# Allegro board RK_TABLET_DEMO1_RK3576_LP4XD200P132SD6_V12_20240530YWQ.brd (continued)
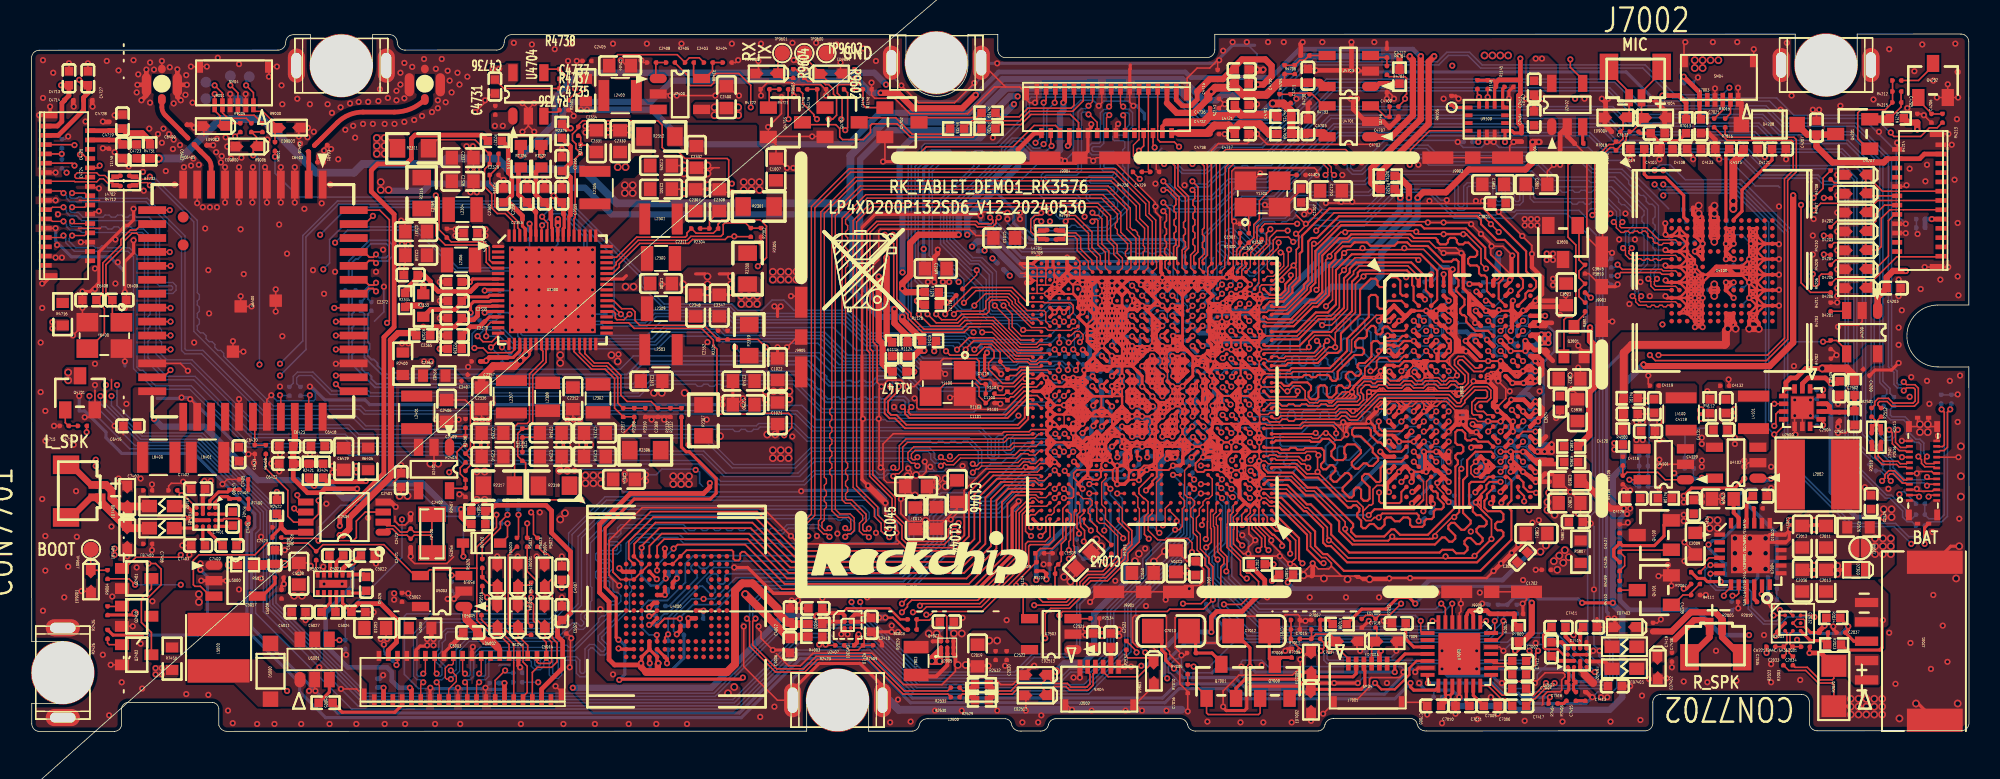
[diagram p0: board, top side]
## Routing (per net, layer and track width the routed paths; a pad name or vN(x,y) marks a point on that pad's centre or on a via; arc(x,y) is an arc through that point) (continued)
  TOP w0.107: 93.87,14 93.19,14.69 v1(93.19,14.8) 93.27,14.8 93.53,14.54 ; 93.87,14 93.53,14.35 93.53,14.54 ; 93.87,14 94.2,13.67 v1(94.2,12.43) ; U1000.C1 80.5,14.82 82.53,12.79 82.53,11.95 83.25,11.23 83.51,11.23 83.87,10.86 83.87,10.67 ; v1(94.16,32.77) v1(94.67,32.26) ; v1(81.59,32.15) 81.61,32.13 81.66,32.13 81.76,32.02 81.76,31.27 81.61,31.11 81.61,30.27 v1(81.43,30.1) 81.44,30.1 81.44,30.07 81.33,29.97 ; 93.88,9.91 93.88,9.9 85.52,9.9 85.4,10.03 ; 93.53,14.54 93.53,15.13 U3800.AB8 ; v1(84.84,19.18) 84.48,18.82 84.11,18.82 83.66,19.27 v1(83.52,19.27) ; v1(86.93,24.57) 86.96,24.54 86.96,24.39 86.03,23.47 86.03,23.3
  TOP w0.114: 88.24,20.85 v1(88.24,20.67) ; 88.24,20.85 88.38,21 ; 88.24,20.85 88.24,21.14 ; U3800.N4 90.31,21.28 90.35,21.31 ; U3800.N4 90.63,21.31 90.86,21.31 ; U3800.N4 90,21.31 89.84,21.31 ; U3800.N2 88.4,21.31 ; U3800.N2 89.03,21.31 89.21,21.31 ; U3800.N2 88.38,21 ; 88.38,21 88.24,21.14 ; 88.24,21.14 88.06,21.31 ; 87.21,20.83 v1(86.77,20.83) 87.26,21.31 87.7,21.31 87.21,20.83
  TOP w0.127: 68.69,25.87 68.15,25.87 68.12,25.91 ; 72.6,16.88 72.6,17.46 ; 72.6,16.88 72.6,16.45 72.32,16.16 U1000.1C13 ; 72.6,16.88 73.36,16.88 v1(73.65,17.17) ; 66.63,28.26 67.23,28.26 67.22,28.27 67.22,28.87 ; 72.32,28.8 71.64,28.8 ; 72.32,28.8 72.32,29.19 72.19,29.32 ; 72.32,28.8 v1(72.97,28.8) ; 72.32,28.8 72.32,28.15 ; U1000.1AB21 U1000.1AC21 ; 70.8,16.69 70.8,16.88 70.9,16.88 ; 70.8,16.69 70.8,16.45 70.78,16.43 70.78,16.24 70.98,16.24 71,16.26 71.43,16.26 v1(71.45,16.23) ; 70.8,16.69 70.83,16.69 71.02,16.88 ; 91.91,24.55 91.49,24.13 ; 91.49,24.13 91.27,23.92 ; 91.49,24.13 91.49,23.7 91.28,23.92 91.27,23.92 ; U1000.2R10 U1000.2P10 U1000.2N10 U1000.2M10 ; 68.54,26.72 68.12,26.29 U1000.1Y20 ; v1(89.51,13.59) 89.51,13.95 89.38,14.08 87.17,14.08 86.93,13.84 v1(86.93,13.82) ; 67.82,22.87 67.24,22.87 ; 68.42,28.87 68.42,27.07 ; 70.9,16.88 70.77,17.02 70.77,17.42 70.69,17.5 U1000.2A9 ; 70.9,16.88 71.02,16.88 ; v1(69.07,27.5) v1(69.07,25.55) ; v1(69.07,25.55) 69.07,24.9 v1(69.07,24.9) 68.42,24.9 ; v1(69.07,25.55) 69.72,25.55 v1(69.72,26.85) 69.72,26.85 v1(69.72,27.5) v1(69.72,28.15) v1(69.07,28.15) ; 71.02,16.88 71.5,16.88 ; 90.06,23.92 91.27,23.92 ; v1(94.79,16.12) 94.08,16.12 93.87,15.91 93.87,15.66 93.51,15.3 U3800.AB8 ; v1(72.97,27.5) v1(71.67,27.5) ; v1(78.6,28.26) 79.23,28.26 v1(79.27,28.23) ; 68.89,16.88 69.03,17.03 69.03,17.05 ; 68.89,16.88 68.19,16.88 68.15,16.84 ; 68.89,16.88 69,16.77 ; 71.02,24.25 v1(71.02,24.89) 71.67,24.89 ; 71.02,24.25 71.02,23.6 71.02,23.6 ; 71.02,24.25 71.02,24.25 ; 70.69,26.52 U1000.2N9 ; U1000.2E12 68.98,20.91 69.01,20.91 ; 69.76,16.88 69.2,16.88 ; 69.76,16.88 v1(70.05,17.17) ; 69.76,16.88 69.76,16.26 v1(70.05,15.97) ; 69.2,16.88 69.03,17.05 ; 69.2,16.88 69.12,16.88 69,16.77 ; 69.01,20.91 69.03,20.92 69.03,21.63 69.01,21.65 ; 69.01,20.91 69.16,20.91 U1000.2E11 ; v1(66.62,22.87) 67.19,22.87 ; 68.4,20.45 68.51,20.35 69.72,20.35 69.72,19.7 ; 67.22,28.87 67.14,28.87 66.88,29.13 ; 67.22,28.87 U1000.1AE21 ; 67.22,28.87 v1(67.82,28.87) v1(67.82,28.27) v1(67.82,27.07) ; 68.39,16.31 68.15,16.56 68.15,16.6 ; 68.39,16.31 67.86,16.31 ; 68.39,16.31 68.45,16.26 68.81,16.26 69,16.45 69,16.77 ; 71.5,16.88 71.78,17.17 72.24,17.17 ; 71.5,16.88 71.95,16.88 ; v1(72.97,28.8) v1(72.97,29.32) ; v1(72.97,28.8) 73.62,28.8 ; 71.67,24.9 72.32,24.9 v1(72.32,24.9) ; 68.12,25.2 68.14,25.22 68.71,25.22 ; U1000.1P22 U1000.1P21 U1000.1P20 ; v1(69.07,28.8) v1(69.72,28.8) 69.72,28.15 ; U1000.2M11 U1000.2N11 U1000.2P11 U1000.2R11 U1000.2T11 U1000.2U11 U1000.2V11 ; 75.6,24.28 75.55,24.23 74.93,24.23 ; v1(71.67,18.4) 71.09,18.4 ; 71.09,18.4 71.06,18.43 ; 71.09,18.4 v1(70.37,18.4) ; v1(75.59,17.71) 75.51,17.71 75.11,17.31 75.11,16.89 75.24,16.76 75.62,16.76 75.74,16.88 76.23,16.88 ; v1(94.79,23.92) v1(93.99,23.92) 93.3,23.92 93.25,23.97 ; 70.95,17.81 70.95,18.33 ; 69.03,17.05 69.03,17.29 69.14,17.4 69.14,17.53 ; 76.25,24.04 76.25,23.56 ; v1(71.96,16.89) 72.6,16.89 ; v1(84.76,13.08) 84.76,12.91 85.36,12.32 87.53,12.32 v1(87.8,12.58) 87.94,12.45 88.11,12.45 88.11,12.44 90.2,12.44 90.21,12.45 90.4,12.45 v1(90.57,12.61) ; 67.22,22.27 67.82,22.27 ; v1(73.62,22.29) 73.62,22.3 v1(74.27,22.3) ; 53.59,32.55 53.59,24.26 ; U1000.1AE20 U1000.1AD20 U1000.1AC20 U1000.1AB20 ; U1000.2L1 76.09,24.37 U1000.1U6 ; 68.44,25.57 69.04,25.57 ; v1(72.97,24.24) v1(72.97,23.59) ; U1000.2C11 U1000.2C10 ; v1(91.8,13.84) 92.12,14.16 92.12,16.35 92.13,16.36 92.13,16.84 v1(92.26,16.97) ; 76.26,16.92 76.21,16.97 76.21,17.48 ; v1(78.02,28.27) 78.59,28.27 ; 68.74,27.14 U1000.2P12 U1000.2N12 68.74,25.27 ; U1000.2K1 75.3,23.92 ; v1(70.37,22.95) 70.37,22.3 v1(69.72,22.3) 69.72,21.65 70.37,21.65 v1(70.37,22.3) ; 70.37,27.5 70.37,24.9 ; v1(94.2,12.43) v1(93.11,11.34) 92.98,11.2 91.41,11.2 91.32,11.3 v1(91.24,11.3) ; U1000.2K9 U1000.2L9 70.69,25.22 ; U1000.2M12 U1000.2L12 ; v1(71.02,28.15) v1(71.02,27.5) 71.67,27.5 ; 66.02,21.07 v1(66.62,21.07)
  TOP w0.14: 76.21,19.82 76.19,19.84 v1(76.19,20.37) ; 79.22,27.07 v1(79.22,27.67) 79.22,28.18 v1(79.27,28.23) ; 79.22,27.07 77.42,27.07 ; 79.22,27.07 79.22,25.87 ; U1000.1F5 U1000.1F6 ; U1000.1F6 U1000.1E6 U1000.1E5 ; U1000.1F6 U1000.1G6 ; v1(77.97,24.63) 78.02,24.68 78.02,25.26 78.02,25.27 ; v1(77.97,24.63) 77.93,24.67 v1(77.42,24.67) v1(76.82,24.67) ; v1(77.97,24.63) 77.97,24.63 v1(77.97,24.12) ; 79.22,23.62 79.22,23.47 ; 79.22,23.47 v1(79.22,22.87) 79.22,22.27 ; 79.22,23.47 78.02,23.47 ; U1000.1N2 U1000.1M2 ; 77.42,21.67 76.82,21.67 v1(76.82,21.07) ; v1(78.06,20.43) 78.06,19.92 ; 76.19,19.75 76.19,19.29 ; 76.82,25.27 78.02,25.27 ; 76.82,25.27 v1(76.82,26.47) ; 76.82,25.27 v1(76.82,24.67) ; 79.22,19.87 79.24,19.9 79.24,19.98 ; 79.22,19.87 76.21,19.87 ; 79.22,19.87 v1(79.22,19.27) v1(79.22,18.67) ; 78.02,23.47 78.02,22.87 78,22.85 v1(78,22.83) ; 78.02,23.47 78.02,24.07 ; 78.02,23.47 76.28,23.47 76.25,23.5 ; 78.62,21.67 78.02,21.67 v1(78.02,21.07) ; v1(78.63,16.26) 78.6,16.26 78.55,16.31 78.05,16.31 v1(78.05,16.83) ; v1(76.89,27.67) 77.32,27.67 v1(77.33,27.68) 77.35,27.66 77.35,27.13 ; U1000.1AB6 U1000.1AB5 ; 77.42,27.07 76.82,27.07 ; 77.42,27.07 v1(77.42,26.47) ; 76.82,27.07 75.99,27.07 U1000.2R1 ; 76.82,27.07 v1(76.82,26.47) ; v1(76.82,24.67) 76.33,24.67 76.14,24.87 ; 76.19,20.45 76.19,20.99 76.18,21.01 ; v1(79.22,24.07) 79.22,24.67 ; v1(76.82,26.47) 75.94,26.47 ; v1(76.82,26.47) v1(77.42,26.47) ; v1(90.64,18.07) v1(89.84,18.07) ; 79.33,18.07 76.82,18.07 ; 79.22,21.16 v1(79.26,21.12) ; 79.22,21.16 79.22,22.22 v1(79.19,22.25) ; 79.22,21.16 79.22,20.47 ; 78.97,22.62 78.97,23.12 U1000.1R2 ; v1(77.42,26.47) 77.92,26.47 v1(77.93,26.46) ; v1(79.22,17.47) v1(79.22,15.67) v1(79.22,15.07) 79.22,14.52 79.19,14.49 ; 77.97,18.72 77.97,19.23 v1(77.97,19.23) ; 78.94,20.8 78.94,21.35 ; U1000.1N4 U1000.1M4 ; v1(76.17,22.3) 76.2,22.33 76.2,22.92 ; U1000.1AC5 U1000.1AC4 ; 77.09,20.8 76.54,20.8 ; 76,26.41 76.24,26.17 U1000.1Y6 U1000.1W6 U1000.1V6 U1000.1U6 ; U1000.1N6 U1000.1M6 U1000.1L6 ; 78.02,25.27 79.22,25.27 ; 76.82,27.67 76.39,27.67 ; 76.39,27.67 76.22,27.5 ; 76.39,27.67 76.04,27.67 ; 66.02,22.27 66.62,22.27 ; 77.09,23.75 76.54,23.75 U1000.1T6 ; 76.14,23.39 76.14,23.02 ; U1000.1K6 76.47,20.22 76.47,20.72 ; 79.22,25.27 79.22,25.79 v1(79.26,25.83) ; 79.22,25.27 v1(79.22,24.67) ; 78.06,21.03 78.06,20.52 ; v1(77.42,16.87) 76.82,16.87 ; v1(77.42,18.67) 77.93,18.67 v1(77.97,18.72) ; v1(77.98,25.91) 77.98,26.41 77.96,26.43 ; 78.29,28 77.74,28 ; 77.93,16.18 77.93,15.76 ; 77.74,20.8 77.74,21.35 ; 77.97,19.32 77.97,19.83 ; 78.97,22.52 78.97,22.02 ; 69.72,20.35 69.72,20.35 ; v1(72.97,20.34) 72.32,20.34 72.31,20.35 v1(71.67,20.35) v1(71.02,20.35) ; 78.12,17.57 78.12,17.97 ; 77.98,27.03 77.98,26.51 ; 76.52,18.7 76.52,18.37 ; U1000.1U4 U1000.1U3 ; U1000.1H4 U1000.1H3 ; 66.02,18.67 67.22,18.67 ; 79.2,16.25 78.63,16.25
  TOP w0.145: 95.44,27.17 94.74,27.17 v1(94.69,27.22) ; v1(88.24,18.72) v1(89.19,18.72) ; v1(93.98,20.03) 93.99,20.02 v1(94.79,20.02) ; v1(95.44,24.57) v1(96.39,24.57) ; 89.74,16.77 v1(89.04,16.77) ; v1(96.24,18.07) v1(95.44,18.07) v1(94.79,18.07) ; v1(89.19,25.22) 89.19,25.22 88.56,25.22 88.23,24.9 U3800.G1 ; U3800.J1 88.25,23.6 88.58,23.92 90.06,23.92 90.06,23.92 ; v1(89.99,27.17) 89.21,27.17
  TOP w0.152: 110.83,31.61 110.83,31.39 ; 110.83,31.61 U4100.C11 ; 110.83,31.61 v1(110.94,31.5) ; 110.83,31.39 110.83,31 ; 110.83,31.39 v1(110.94,31.5) ; U4100.K5 U4100.J5 ; U4100.K5 v1(107.33,28) ; U4100.K5 v1(107.83,28) ; U4100.K5 107.33,28.5 ; U4100.K5 107.58,28.75 ; U4100.J5 107.33,29 ; U4100.J5 107.83,29 ; U4100.J5 108.22,29.39 108.22,29.5 U4100.H5 ; U4100.J5 v1(107.33,29.5) ; U4100.J5 107.33,28.5 ; 106.58,27.25 U4100.M3 ; 106.58,27.25 U4100.N2 106.83,27 ; 106.58,27.25 106.83,27 ; U4100.M3 U4100.M4 ; U4100.M3 107.08,27.25 ; U4100.M3 U4100.L2 ; U4100.M3 U4100.L3 ; U4100.M3 U4100.N3 ; U4100.M3 107.08,27.75 107.08,27.75 ; U1000.2C11 U1000.2B11 69.34,18.67 69.34,18.12 ; U4100.J12 U4100.K13 ; U4100.J12 U4100.H12 ; U4100.J12 110.83,29.5 ; U4100.J12 U4100.K12 ; U4100.J12 v1(110.83,29) ; U4100.J12 U4100.H13 ; U4100.K13 U4100.L12 ; U4100.K13 U4100.K12 ; 107.33,29 107.58,28.75 ; 107.33,29 107.33,29 ; 107.33,29 U4100.H5 ; 107.33,29 U4100.J3 ; 107.33,29 107.33,28.5 ; 107.33,29 U4100.K3 ; 107.33,29 U4100.H3 ; U4100.H5 107.83,29 ; U4100.H5 v1(107.33,30) ; U4100.H5 v1(107.33,29.5) ; 107.83,29 107.58,28.75 ; 65.59,20.9 65.59,21.24 ; U4100.P4 U4100.N5 ; U4100.P4 107.08,26.75 ; U4100.P4 U4100.N4 ; U4100.P4 v1(107.33,26.11) 107.44,26.11 ; U4100.P4 107.72,26.11 ; U4100.P4 U4100.P5 ; U4100.N5 U4100.P5 ; U4100.N5 U4100.M5 ; U4100.N5 U4100.M4 ; U4100.N5 U4100.N4 ; 69.07,19.05 v1(69.07,18.4) 69.07,17.75 ; 107.44,26.11 107.72,26.11 ; 107.44,26.11 U4100.P5 ; 107.72,26.11 v1(107.83,26.11) U4100.P5 ; U1000.2E6 U1000.2D6 72.57,19.95 72.57,19.44 U1000.2C6 ; U1000.T28 65.59,21.97 65.65,22.04 ; U4100.M12 U4100.N12 ; U4100.M12 v1(110.83,28) ; U4100.M12 U4100.L12 ; U4100.M12 U4100.N11 ; U4100.M12 U4100.M13 ; U4100.N12 U4100.M13 ; U4100.N12 U4100.P11 ; U4100.N12 U4100.N11 ; U4100.N12 U4100.P12 ; U4100.H12 110.83,29.5 ; U4100.H12 v1(110.83,29) ; U4100.H12 U4100.G12 ; U4100.H12 110.83,30 ; U4100.H12 U4100.H13 ; U4100.H10 v1(110.83,29) ; U4100.H10 110.83,29.5 ; U4100.H10 110.83,30 ; U4100.H10 U4100.G10 ; v1(110.83,29) 110.83,29.5 ; v1(110.83,29) U4100.K12 ; v1(110.83,29) 110.83,28.5 ; 85.78,9.91 85.91,9.78 87.43,9.78 ; 85.78,9.91 v1(88.95,9.91) 93.88,9.91 94.28,10.3 ; 85.78,9.91 85.65,10.03 85.4,10.03 ; U4100.E12 v1(110.83,30.5) ; U4100.E12 U4100.D12 ; U4100.E12 110.83,31 ; U4100.E12 U4100.D13 ; U4100.E12 110.94,31.39 v1(110.94,31.5) ; U4100.E12 U4100.F12 ; U4100.E12 U4100.F13 ; v1(110.83,30.5) U4100.G10 ; v1(110.83,30.5) U4100.F12 ; v1(110.83,30.5) U4100.G12 ; v1(110.83,30.5) 110.83,31 ; v1(110.83,30.5) 110.83,30 ; v1(73.62,22.29) 73.62,22.29 73.62,21 ; U1000.2G4 U1000.2F4 ; U4100.P11 U4100.P12 ; U4100.P11 U4100.N11 ; U4100.P12 U4100.N11 ; U4100.M4 U4100.M5 ; U4100.M4 U4100.N4 ; U4100.M4 v1(107.33,28) ; U4100.M4 107.08,27.75 ; U4100.M5 U4100.N4 ; U4100.M5 107.83,27.5 ; U4100.G10 110.83,30 ; U4100.G10 110.83,29.5 ; 73.62,28.8 73.62,29.19 73.49,29.32 ; 106.83,30.95 U4100.F3 ; 106.83,30.95 U4100.E3 ; 106.83,30.95 107.28,30.5 ; U4100.F3 U4100.G3 ; U4100.F3 107.28,30.5 ; U4100.F3 U4100.G2 ; U4100.F3 U4100.E2 ; U4100.F3 v1(107.33,30) ; U1000.2F6 72.72,21.24 72.72,20.75 ; 107.08,27.25 106.83,27 ; 107.08,27.25 U4100.N4 ; 107.08,27.25 107.83,28 ; 106.83,27 U4100.N3 ; 73.24,21.27 72.69,21.27 ; v1(65.51,21.67) 65.51,22.18 ; 70.64,25.27 U1000.2M9 70.69,25.22 ; v1(73.62,27.5) 74.27,27.5 74.27,27.5 ; U4100.B11 U4100.B12 ; U4100.B11 U4100.C11 ; U4100.B11 U4100.C12 ; U4100.B12 U4100.C12 ; U4100.B12 U4100.C11 ; U4100.C11 U4100.D12 ; U4100.C11 U4100.C12 ; v1(107.33,28) 107.83,28 ; v1(107.33,28) U4100.K3 ; v1(107.33,28) 107.33,28 ; v1(107.33,28) U4100.L3 ; 107.08,26.75 107.08,26.75 U4100.N4 ; 107.08,26.75 U4100.N3 ; 110.83,29.5 U4100.G12 ; 110.83,29.5 110.83,30 ; 74.27,28.15 74.27,29.19 74.4,29.32 ; U4100.F12 U4100.F13 ; U4100.F12 110.83,31 ; U4100.F12 U4100.G12 ; U4100.F12 110.83,30 ; U4100.F13 U4100.G12 ; 107.08,27.75 107.33,28 ; 107.08,27.75 U4100.L3 ; U4100.N4 U4100.N3 ; U4100.N4 U4100.P5 ; 110.83,28.5 U4100.L12 ; 110.83,28.5 v1(110.83,28) ; 110.83,28.5 U4100.K12 ; U4100.L12 U4100.K12 ; U4100.L12 v1(110.83,28) ; U4100.L12 U4100.M13 ; 110.83,30 U4100.G12 ; U4100.G12 U4100.H13 ; v1(107.33,29.5) v1(107.33,30) ; v1(107.33,29.5) U4100.H3 ; v1(107.33,29.5) 107.33,29 ; v1(107.33,29.5) U4100.J3 ; v1(107.33,29.5) U4100.G3 ; v1(107.33,30) U4100.H3 ; v1(107.33,30) 107.33,30.45 107.3,30.48 ; v1(107.33,30) U4100.G3 ; 110.83,31 U4100.D12 ; U4100.D12 v1(110.94,31.5) ; U4100.D12 U4100.D13 ; U4100.D12 U4100.C12 ; U4100.C3 U4100.B2 ; U4100.C3 U4100.D3 ; U4100.C3 U4100.C2 ; U4100.B2 U4100.C2 ; U4100.B2 U4100.C1 U4100.C2 ; v1(81.21,10.82) 81.34,10.82 ; 70.37,23.6 70.37,24.25 ; 70.37,24.25 69.72,24.25 69.72,23.6 ; 70.37,24.25 70.37,24.85 70.39,24.87 ; 107.33,29 107.08,28.75 ; 107.08,28.75 107.33,28.5 ; 107.08,28.75 106.83,28.5 U4100.K3 ; 107.08,28.75 U4100.J3 ; 68.69,23.32 U1000.2J12 ; 68.69,23.32 69.34,23.32 ; 68.69,23.32 68.04,23.32 67.99,23.27 67.94,23.32 ; U4100.E3 U4100.D3 ; U4100.E3 U4100.E2 ; 107.33,28.5 107.33,28.5 ; 107.33,28.5 v1(107.83,28) ; 107.33,28.5 107.33,28.5 ; 107.33,28.5 107.33,28 ; 68.76,17.53 68.74,17.54 U1000.2A12 U1000.2B12 U1000.2C12 ; v1(110.83,28) U4100.K12 ; U1000.2R4 73.89,27.22 ; v1(110.94,31.5) 110.94,31.61 U4100.C12 ; U4100.J3 U4100.K3 ; U4100.J3 U4100.J2 ; U4100.J3 U4100.H3 ; U4100.K3 U4100.L3 ; U4100.K3 U4100.L2 ; U4100.K3 U4100.J2 ; U4100.K3 107.33,28.5 ; 107.33,28.5 107.58,28.75 ; 107.33,28.5 107.33,28.5 U4100.L3 ; U4100.C2 U4100.D3 ; U4100.L3 U4100.L2 ; U4100.G3 107.31,30.48 107.3,30.48 ; U4100.G3 U4100.G2 ; U4100.G3 U4100.H3 ; 107.3,30.48 107.28,30.5 ; 92.58,32.12 v1(92.38,32.12) 92.37,32.13 91.12,32.13 v1(91.11,32.12) ; 71.64,28.8 v1(71.58,28.85) ; U4100.H3 U4100.G2 ; U4100.H3 U4100.J2 ; 107.83,28 v1(107.83,28) ; U4100.D3 U4100.E2 ; 65.72,19.69 65.66,19.63 ; 70.37,28.8 U1000.2V9 70.75,29.18 71.28,29.18 ; U1000.2R5 73.34,27.22 ; 67.22,20.47 66.07,20.47 66.04,20.5 ; U1000.2U2 U1000.2V2 U1000.2V1 76.47,29.12 ; 107.33,28 107.83,27.5 ; U4100.D13 U4100.C12 ; U1000.2R9 70.64,27.12 70.64,26.57 U1000.2P9 ; 70.74,27.22 71.29,27.22 ; 69.14,17.53 69.39,17.78 U1000.2A11 ; 67.19,22.87 v1(67.22,22.85) 67.24,22.87 ; 65.47,22.32 65.47,22.82 v1(65.45,22.84) ; v1(76.77,18.67) v1(77.42,18.67) 77.42,18.07 ; U1000.AL8 76.13,30.26 ; v1(107.83,28) 107.83,27.5 ; 70.72,23.95 70.69,23.98 ; U1000.2L7 U1000.2L8 ; v1(93.53,32.13) 93.54,32.13 94.21,31.47 v1(94.21,31.34) ; v1(67.87,18.07) 67.82,18.02 67.82,17.47 ; U1000.2U3 U1000.2V3 ; U1000.2U4 U1000.2V4 ; v1(78.05,16.83) 78.03,16.86 78,16.86 77.99,16.87 v1(77.42,16.87) ; v1(74.84,28.82) 74.84,29.11 75.05,29.32 ; v1(77.42,28.27) v1(78.02,28.27) ; v1(67.22,19.27) 67.22,18.67 67.82,18.67 ; 67.45,18.44 66.99,18.44 ; U1000.1E24 U1000.1F24 ; 82.6,10.03 82.13,10.03 81.99,10.18 ; 72.97,20.35 72.97,20.74 73.22,21 v1(73.62,21) v1(74.27,21) ; 68.69,29.17 U1000.1AE20 ; 70.37,21 70.37,21.65 U1000.2G10 ; 77.09,17.2 77.09,17.75 ; 86.01,22.97 85.32,22.28 85.32,22.22 85.24,22.14 85.24,21.97 v1(85.2,21.93) ; U1000.1G24 U1000.1H24 ; v1(77.42,24.67) 77.42,25.27 ; 70.64,25.82 U1000.2N9 ; U4100.E2 U4100.E1 ; U1000.2R7 71.99,27.17 ; 67.22,22.27 66.62,22.27 ; v1(92.26,30.9) v1(91.11,30.9) ; v1(69.72,27.5) v1(69.07,27.5) ; U1000.1P24 U1000.1N24 ; 76.19,28.82 75.59,28.82 ; 70.33,25.51 70.37,25.47 ; U1000.1G20 U1000.1G21
  TOP w0.178: U1000.2L4 73.87,24.64 73.36,24.64 ; 72.97,18.4 74.27,18.4 ; 72.97,18.4 v1(71.67,18.4) ; 72.97,18.4 72.97,17.82 ; v1(74.27,21.65) v1(74.27,21) v1(74.27,20.35) v1(74.27,19.7) v1(74.27,19.05) ; U1000.2N6 72.59,25.82 72.59,25.27 U1000.2M6 ; v1(86.93,24.57) 87.07,24.57 87.45,24.96 87.85,24.96 U3800.G1 ; v1(72.32,19.05) v1(72.32,19.69) ; v1(75.57,18.37) 75.54,18.4 74.92,18.4 v1(74.89,18.37) ; v1(72.97,24.89) 72.97,24.9 73.62,24.9 ; v1(71.67,22.28) 71.67,22.28 71.67,22.94 71.66,22.95 ; U1000.2A6 72.72,18.07 72.97,17.82 ; 85.07,19.87 84.74,19.87 v1(84.64,19.97) ; 85.07,19.87 86.12,19.87 v1(86.27,20.02) 86.33,20.02 86.67,19.69 86.67,19.59 86.67,19.58 86.67,19.43 86.96,19.14 87.82,19.14 U3800.T1 ; 85.07,19.87 84.84,19.63 v1(84.84,19.18) ; U1000.2G10 69.72,21.65 69.01,21.65 68.44,21.65 68.42,21.67 ; 72.32,26.2 72.97,26.2 v1(72.97,26.2) ; 70.37,23.6 68.42,23.6 ; 70.37,23.6 71.02,23.6 ; 70.37,23.6 v1(70.37,22.95) ; 70.37,28.15 70.37,27.5 70.37,27.5 v1(69.72,27.5) ; 74.28,19.03 74.28,17.76 ; 74.52,24.64 74.01,24.64 ; 74.27,28.15 74.27,28.15 74.27,25.55 ; 72.97,17.82 72.64,17.5 ; 72.44,17.3 72.44,18.27 ; 72.32,19.7 v1(72.32,20.32) 72.32,20.34 ; 74.93,22.96 74.93,23.61 ; 74.93,24.23 74.93,23.61 ; 74.93,23.61 U1000.2K2 ; v1(73.65,24.9) 74.27,24.9 74.27,25.55 ; 69.72,19.05 v1(70.37,19.05) v1(70.37,18.4) ; 74.27,25.55 v1(73.65,25.55) ; v1(72.32,24.9) 72.32,25.55
  TOP w0.196: U1000.2K8 71.34,24.57 ; 72.32,26.85 72.32,25.55
  TOP w0.203: R9105.2 91.9,41.04 v1(92.08,40.87) ; v1(105.43,31.09) 105.52,31 U4100.E1 ; U7000.18 v1(92.13,2.21) 91.88,1.96 C7010.2 v1(91.88,1.14) ; U1000.A1 80.42,13.32 v1(80.42,13.31) ; v1(66.02,27.07) U1000.1AB23 v1(66.62,27.07) U1000.1AB22 ; v1(66.02,27.07) U1000.1AA24 ; v1(66.02,27.07) U1000.1AB24 ; ED7003.2 v1(88.06,5.21) ; C4200.2 118.6,23 118.95,23.34 120.02,23.34 v1(120.48,23.8) ; 66.02,28.27 U1000.1AD24 ; 66.02,28.27 66.32,28.57 U1000.1AD23 ; 66.02,28.27 65.72,27.97 U1000.1AC24 ; v1(80.9,5.21) 81.02,5.33 R7006.2 ; U1000.1K21 v1(67.22,19.87) ; v1(67.22,19.87) U1000.1J21 ; v1(67.22,19.87) U1000.1J22 ; 113.41,12.98 113.15,12.71 U2004.18 112.16,12.71 111.66,12.21 ; 113.41,12.98 v2(113.52,13.08) ; 113.41,12.98 113.41,12.42 113.21,12.21 U2004.17 111.66,12.21 ; 71.45,16.38 v1(71.96,16.89) ; 71.45,16.38 71.45,16.84 71.5,16.88 ; 71.45,16.38 v1(71.45,16.23) ; v1(49.46,8.46) 49.15,8.46 48.95,8.25 C4002.2 50.12,7.94 C2412.2 ; U1000.2E8 v1(71.02,20.35) U1000.2E9 ; v1(79.22,19.27) U1000.1J2 ; v1(79.22,19.27) U1000.1H1 v1(79.22,18.67) U1000.1H2 v1(79.22,19.27) ; ED5000.2 33.1,8.61 v1(33.15,8.66) ; v1(3.29,28.42) 3.78,28.42 4.35,28.98 4.35,30.96 6.07,32.69 6.23,32.69 6.58,33.04 v1(6.58,33.76) ; v1(105.44,29.13) 105.57,29 U4100.J1 U4100.J2 ; v2(40.67,21.87) 40.71,21.91 C2313.2 ; 89.54,3.17 v1(89.54,3.12) ; v1(105.43,30.09) 105.52,30 U4100.G1 U4100.G2 ; U1000.2V5 v1(72.97,28.8) 72.64,29.12 ; ED5002.2 v1(31.37,8.66) ; v2(117.38,1.6) 117.35,1.63 R2020.1 ; 68.42,24.9 U1000.2L12 ; 68.42,24.9 68.12,25.2 U1000.1W20 ; 68.42,24.9 U1000.2M12 ; U1000.2L12 v1(69.07,24.9) ; U1000.2L12 68.74,24.54 68.53,24.33 68.53,24.18 ; U1000.1Y20 U1000.1W20 ; U1000.1Y20 68.39,26.17 ; U1000.1Y20 U1000.1AA21 v1(67.82,27.07) ; 53.59,32.55 54.44,33.4 61.14,33.4 v1(61.24,33.3) ; v1(25.53,5.56) 25.48,5.51 25.07,5.51 24.81,5.25 J5000.10 ; 44.38,29.55 44.98,29.55 v2(45.14,29.39) ; v1(112.75,31.47) 112.72,31.5 U4100.D14 U4100.D13 ; 67.13,29.32 67.06,29.32 66.63,28.88 ; U1000.1AD3 78.32,28.55 v1(78.6,28.26) ; U1000.1V6 76.22,25.27 U1000.1W6 76.82,25.27 ; v1(67.82,28.87) U1000.1AE20 ; v1(67.82,28.87) U1000.1AE21 ; v1(67.82,28.87) U1000.1AD20 ; v1(55.5,6.43) 55.49,6.43 C2410.2 54.86,5.75 R2410.2 ; v1(69.07,28.8) U1000.2V12 ; v1(69.07,28.8) U1000.2U11 ; v1(69.07,28.8) U1000.2V11 ; v1(69.72,28.15) U1000.2U10 ; v1(69.72,28.15) U1000.2U11 ; v1(69.72,28.15) U1000.2T11 v1(69.07,28.15) U1000.2U11 ; U1000.AL1 80.39,30.22 v1(80.44,30.17) ; v1(86.29,7.14) 85.86,6.71 C7018.2 ; 68.42,27.67 68.74,27.35 ; v1(78.6,28.26) 78.32,27.98 U1000.1AC3 ; v1(78.6,28.26) 78.89,27.97 U1000.1AC2 ; J2001.6 121.73,1.8 v2(121.59,1.8) ; 96.21,23.24 95.47,23.24 ; v1(87.46,40.87) C4709.2 ; v1(64.95,30.61) 65.92,30.61 ; C4712.2 87.46,44.53 ; C7413.2 v1(103.15,2.93) ; U1000.2M12 68.74,25.27 68.44,25.57 ; U1000.2M12 v1(69.07,24.9) ; U1000.2M12 68.71,25.22 ; U1000.2M12 v1(69.07,25.55) ; C2012.2 114.84,13.28 v2(115.04,13.08) ; 67.11,29.33 67.11,29.34 67.11,29.38 U1000.AK25 67.09,29.94 67.09,29.95 U1000.AL25 ; U1000.1AA4 77.98,26.51 77.93,26.46 v1(77.93,26.46) ; U1000.1AA4 U1000.1AB5 76.82,27.67 U1000.1AC5 ; U1000.1AA4 78.02,27.07 ; 40.82,20.32 v1(40.82,20.14) ; 40.82,20.32 R2332.2 R2310.2 ; 40.82,20.32 C2368.2 ; 79.22,28.27 U1000.1AC2 ; U1000.1AC2 v1(79.22,27.67) ; 70.89,43.05 70.89,42.79 70.86,42.76 J4701.11 ; v1(37.87,5.36) 37.92,5.31 U4000.N2 ; v1(12.58,9.73) 12.57,9.74 U5000.2 v1(10.95,9.74) ; 66,29.95 65.92,30.04 65.92,30.61 ; 76.24,19.25 76.24,19.25 U1000.1H6 ; U7402.C2 U7402.C4 100.52,4.96 v1(100.76,5.21) ; U1000.1AD23 66.63,28.88 ; U1000.1AD23 66.63,28.26 ; U1000.1L22 v1(66.62,21.07) U1000.1M22 67.21,21.08 67.21,21.07 ; U4100.K13 U4100.K14 112.73,28.5 v1(112.75,28.52) ; U1000.2N8 71.34,25.87 v1(71.01,26.19) ; C3821.2 96.41,12.43 96.37,12.39 ; v1(71.01,26.19) 70.69,26.52 U1000.2P9 ; v1(71.01,26.19) U1000.2N9 ; v2(45.14,28.37) 44.98,28.21 C2347.2 ; ED7403.2 102.17,7.25 v1(102.14,7.29) ; U1000.1W20 68.44,25.57 ; U1000.2T6 v1(72.97,27.5) U1000.2R5 ; J2001.7 123.84,11.96 v2(124.39,11.96) ; 76.24,18.37 75.59,18.37 ; 76.24,18.37 U1000.1G6 ; 76.24,18.37 U1000.2B1 U1000.2A1 75.59,17.77 v1(75.59,17.71) ; v1(112.75,30.5) U4100.F14 U4100.F13 ; U1000.2P12 68.39,26.17 ; U1000.2P12 69.39,27.17 ; U1000.2P12 U1000.2N11 69.72,25.55 ; U1000.2P12 68.54,26.72 68.54,26.94 ; 68.39,26.17 68.69,25.87 U1000.2N12 ; v1(105.43,28.12) 105.43,28.09 105.52,28 U4100.L1 U4100.L2 ; v1(65.45,22.84) 65.45,22.84 U1000.1P24 ; U9100.7 94.41,38.13 v1(94.35,38.07) v1(93.91,38.07) U9100.6 ; U1000.2E12 68.62,20.67 68.4,20.45 ; U1000.2E12 U1000.2E11 ; U1000.2E12 69.07,20.35 U1000.2E11 ; v1(67.22,19.27) U1000.1J22 ; U1000.1J22 66.77,19.71 66.46,19.71 U1000.1J23 ; v1(96.21,8.25) 96.21,8.18 96.23,8.17 C7003.2 ; v1(77.98,25.91) U1000.1W3 78.02,25.27 ; v1(77.98,25.91) U1000.1Y4 77.93,26.38 v1(77.93,26.46) ; v1(77.98,25.91) 78.05,25.91 U1000.1Y3 78.05,26.43 77.96,26.43 v1(77.93,26.46) ; v1(70.05,15.97) v1(70.05,17.17) ; 82.93,35.94 v1(82.94,35.94) 82.93,35.94 ; 67.23,28.26 U1000.1AC21 v1(67.82,28.27) ; v1(87.06,23.27) 87.06,23.28 87.43,23.65 87.86,23.65 U3800.J1 ; U7000.13 89.49,4.1 89.28,3.9 v1(89.28,3.83) 89.33,3.78 ; v1(5.36,39.8) 5.41,39.85 C4719.2 ; v1(67.82,27.07) U1000.1AB20 ; v1(67.82,27.07) U1000.1AB21 ; v1(61.75,4.24) 61.45,4.24 61.39,4.29 v2(60.28,4.29) ; 92.77,28.24 92.38,28.63 92.38,29.44 v1(92.41,29.46) ; v1(47.83,5.26) 48.75,5.26 C4006.2 ; U1000.2E11 69.72,20.35 ; v1(27.1,5.56) 26.61,5.07 J5000.16 ; v1(28.48,5.46) 28.41,5.4 J5000.22 ; 69.72,25.55 U1000.2M11 v1(69.07,24.9) ; 69.72,25.55 70.37,26.2 U1000.2P10 ; v1(53.98,15.87) 53.59,16.27 53.59,24.26 ; 42.85,29.55 43.45,29.55 v2(43.61,29.39) ; 63.78,30.2 63.8,30.22 U1000.AL29 ; U1000.2D6 72.64,20.02 72.32,20.34 ; U1000.2D6 72.32,19.7 v1(72.32,19.69) 72.32,19.69 U1000.2C6 v1(72.32,19.05) ; U1000.2D6 72.64,20.02 v1(72.97,20.34) 73.29,20.67 U1000.2E5 ; v1(68.38,39.22) 68.38,39.01 68.16,38.8 J4701.20 68.16,37.48 67.39,36.7 57.53,36.7 57.53,36.71 56.06,36.71 55.96,36.8 v1(54.94,36.8) ; v1(65.05,13.18) 65.05,13.28 U1000.A29 ; v1(105.42,32.82) 105.42,32.11 v1(105.43,32.09) 105.52,32 U4100.C1 ; v1(85.58,42.7) 85.62,42.66 U4703.2 ; U1000.2N12 v1(69.07,25.55) ; U1000.2N12 68.44,25.57 ; U1000.2N12 69.39,26.52 ; 70.38,25.56 70.35,25.56 U1000.2N10 U1000.2P11 69.39,26.52 ; v1(4.6,37.67) 4.99,37.67 C4724.2 ; U1000.1L20 68.4,20.49 68.4,20.45 ; v1(0.69,28.93) 0.79,28.93 1.2,29.34 J4702.32 ; v1(116.26,6.78) 116.26,6.6 C2037.1 ; 66.63,28.88 66.34,29.17 U1000.1AE23 66.29,29.17 65.99,29.47 65.99,29.49 ; v1(45.34,10.59) 46.21,10.59 47.88,8.91 53.67,8.91 v1(53.93,8.66) 54.2,8.93 60.8,8.93 63.27,11.4 63.27,14.4 63.69,14.82 v1(63.69,14.87) ; U1000.2T8 v1(71.02,28.15) U1000.2U9 ; v1(64.7,4.24) 64.59,4.24 64.16,3.81 ED2513.2 ; C2011.2 115.35,13.28 v2(115.04,13.59) ; 75.04,28.92 U1000.2V2 ; 96.27,23.3 97.01,23.3 ; v1(25.73,2.82) 25.73,2.77 25.71,2.75 J5000.13 ; v1(76.22,24.07) 75.89,24.4 75.89,24.51 75.59,24.22 ; U1000.1AB2 v1(79.22,27.67) ; U1000.1AB2 78.62,27.07 ; U1000.1AB2 79.22,27.07 ; v1(79.22,27.67) U1000.1AC1 ; U1000.1M24 66.02,21.07 U1000.1L24 ; C1022.2 v1(48.14,24.82) ; U1000.2P10 v1(69.72,26.85) 69.39,26.52 ; U1000.2P10 70.36,26.84 ; U1000.2P10 v1(69.07,25.55) ; 74.93,23.49 75.08,23.65 v1(75.52,23.65) ; v1(5.36,37.41) 5.76,37.01 C4723.2 6.28,36.61 v1(6.28,36.5) ; 76.14,24.87 76.14,24.75 U1000.1U6 ; v1(74.27,20.35) U1000.2E3 v1(74.27,21) U1000.2F4 v1(74.27,21.65) ; U1000.1N2 v1(79.19,22.25) 79.22,22.27 U1000.1P2 v1(79.22,22.87) ; U1000.2G10 v1(69.72,22.3) ; U1000.1C21 68.15,16.6 68.15,17.14 68.12,17.17 ; 75.24,29.12 75.49,28.87 v1(75.49,28.82) 75.59,28.82 U1000.2V1 ; U1000.2K8 71.99,24.57 ; v1(18.82,10.64) 18.87,10.6 U5002.5 ; 70.8,16.88 U1000.1E16 70.95,17.61 70.95,17.81 U1000.2A9 ; U1000.1W5 77.42,25.27 ; J9903.1 102.19,28.73 v1(102.34,28.88) ; ED5005.2 v1(30.05,8.66) ; v1(78,22.83) 77.97,22.83 U1000.1P4 ; 69.39,26.52 U1000.2R12 ; 64.15,29.59 U1000.AJ29 ; 68.4,20.45 U1000.1K20 ; 71.66,22.95 71.34,23.27 U1000.2J8 71.02,23.6 ; v2(47.98,19.18) 48.14,19.33 C1021.2 ; v1(112.75,29.5) U4100.H14 U4100.H13 ; 76.26,16.92 76.23,16.88 ; 76.26,16.92 U1000.1E6 ; 76.26,16.92 v1(76.77,16.92) ; U1000.2L7 71.67,24.9 U1000.2L8 ; U1000.1AC5 77.33,27.76 v1(77.33,27.68) 77.43,27.68 U1000.1AC4 ; U1000.1AC5 v1(77.42,28.27) U1000.1AC4 ; 76.19,19.63 75.93,19.37 U1000.2C1 ; ED7002.2 v1(82.56,0.69) ; 72.6,16.88 U1000.1E13 ; v1(75.52,23.65) U1000.2J1 76.14,23.02 v1(76.14,22.97) ; v1(75.52,23.65) U1000.2K2 75.3,23.92 75.59,24.22 ; v1(75.52,23.65) 75.62,23.65 U1000.2K1 75.59,24.22 ; C2348.2 43.45,28.21 v2(43.61,28.37) ; C9103.2 95.33,41.36 v1(95.33,40.87) ; C5017.2 16.25,9.55 v1(16.28,9.52) 16.13,9.37 C5009.2 ; v1(72.97,26.2) U1000.2N6 ; v1(70.37,22.3) 70.04,22.62 ; v1(6.58,31.72) 6.58,30.91 6.02,30.35 v1(6.02,28.37) ; U1000.2L9 71.02,24.25 ; U1000.2L9 v1(71.02,24.89) 70.69,25.22 U1000.2M9 70.69,25.22 ; U1000.2L9 70.37,24.25 ; U1000.2L9 70.64,24.57 70.37,24.85 ; C2036.1 114.74,10.44 v2(114.99,10.18) ; 111.66,12.21 U2004.25 ; 70.04,22.62 v1(70.37,22.95) ; 70.04,22.62 U1000.2H10 ; v2(116.51,10.69) 116.46,10.64 115.99,10.64 C2013.2 ; J9903.2 v1(102,26.48) ; v1(0.49,39.8) J4702.33 v1(1.2,40.36) ; v1(69.07,25.55) 69.39,25.22 ; 48.14,26.81 48.14,27.25 v1(48.34,27.46) ; 94.84,23.32 95.39,23.32 ; v1(112.75,27.5) U4100.M14 U4100.M13 ; U4000.J5 39.94,6.88 v1(39.86,6.88) ; D2300.2 116.77,10.44 v2(116.51,10.18) ; 75.98,17.71 76.13,17.71 76.19,17.77 ; v1(62.56,23.09) 62.15,23.5 C1119.2 ; v1(71.67,22.28) 71.68,22.27 71.69,22.27 71.99,21.97 U1000.2G7 71.99,21.97 72.32,21.64 v1(72.33,21.64) 72.33,21.63 72.64,21.32 U1000.2F6 ; U1000.1AC4 77.74,28 ; C5021.2 v1(34.22,8.66) ; 65.92,30.61 66.83,30.61 ; 101.01,7.29 C7414.2 ; U4000.N5 U4000.P6 ; C2350.2 C2349.2 ; C7015.2 82.26,7.2 v1(82.2,7.14) 81.88,7.14 C7017.2 ; U4000.C4 v1(40.34,9.83) ; v1(85.58,3.12) v1(84.05,3.12) 81.97,3.12 81.77,2.92 78.62,2.92 78.41,2.72 78.41,1.49 78.27,1.35 77.09,1.35 76.89,1.55 v1(76.89,1.6) ; J9912.3 54.91,2.95 53.47,4.39 50.83,4.39 49.11,2.68 J9912.2 ; U1000.2V3 74.92,28.8 ; U1000.2L11 v1(69.7,24.26) ; U1000.1C9 v1(75.02,15.67) ; C7011.2 v1(94.61,1.14)